# Altium PCB EngineControl.PcbDoc (continued)
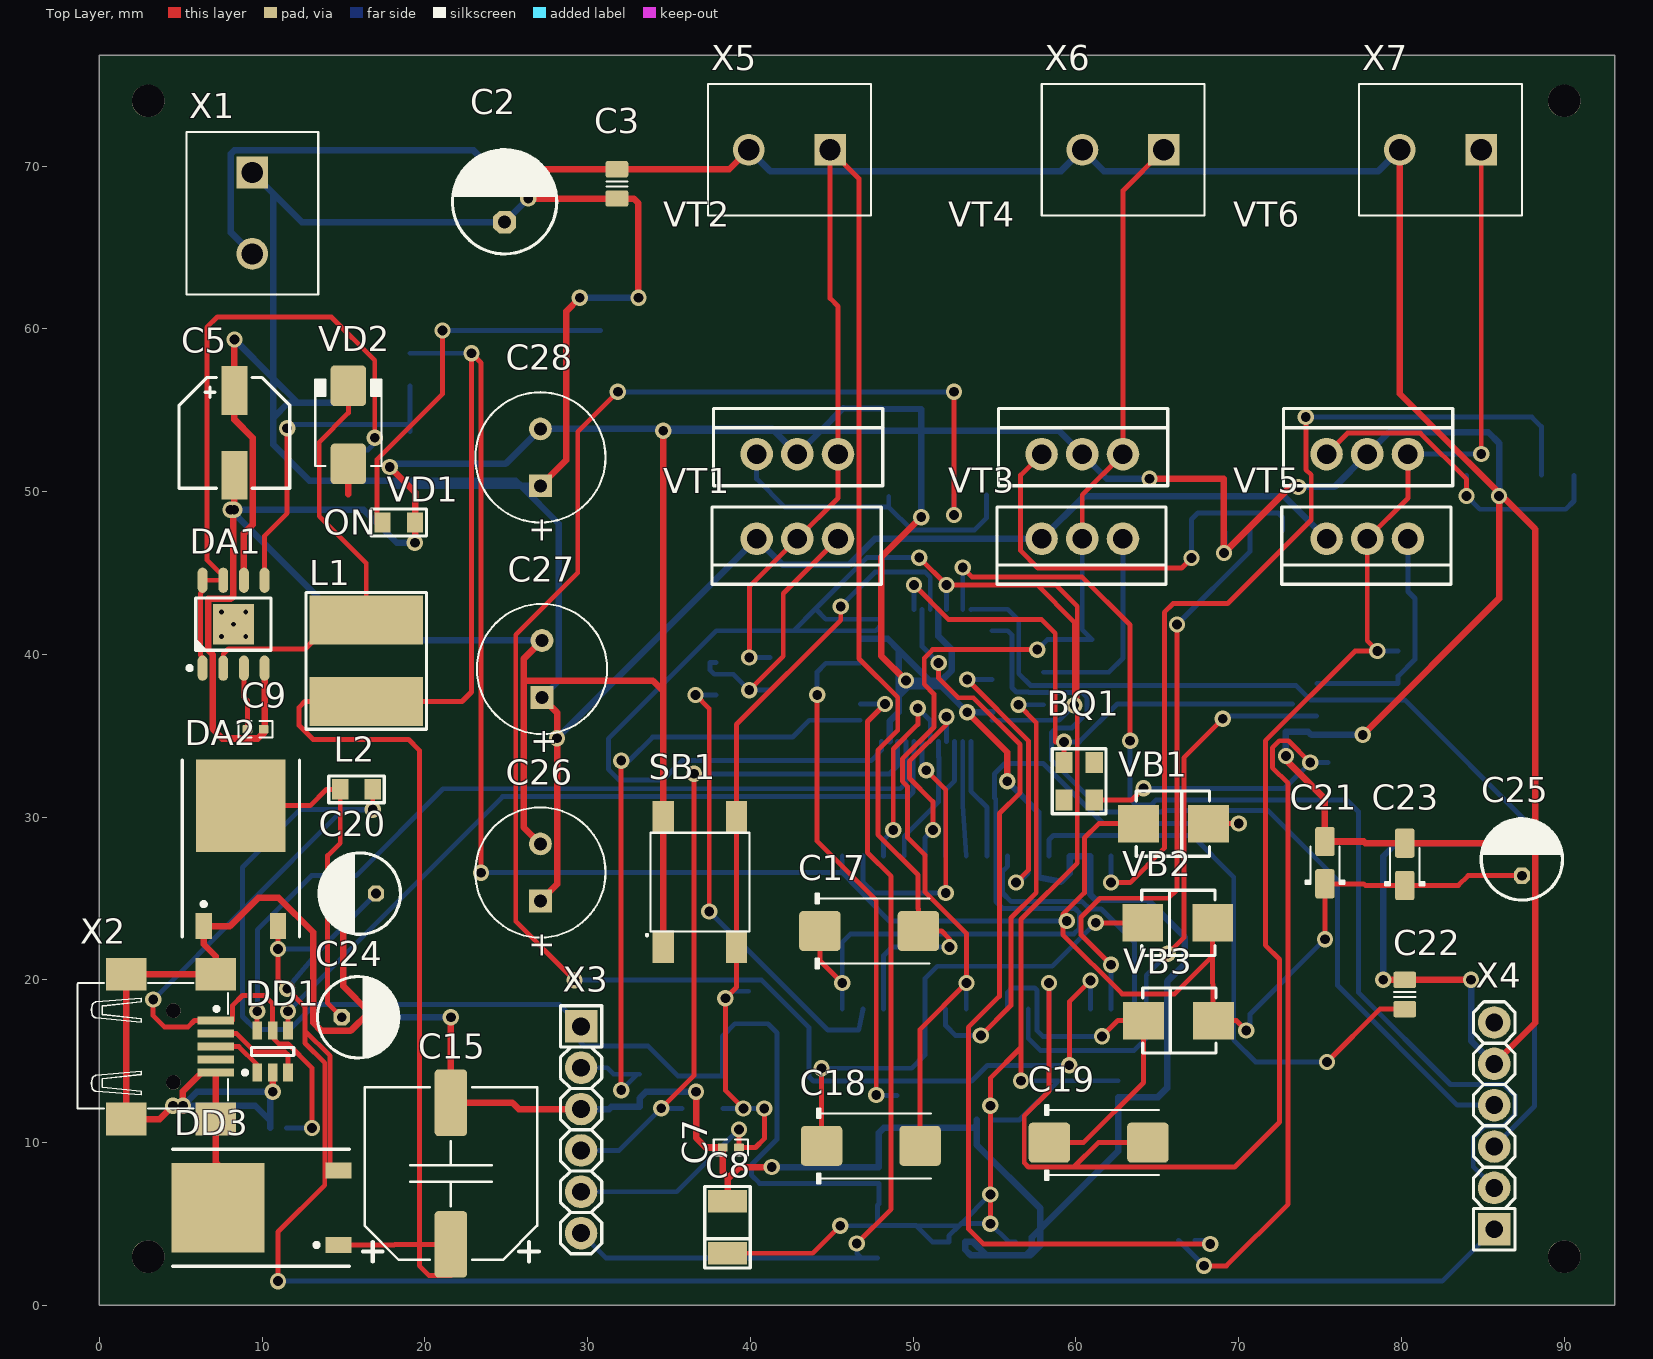
[diagram p0: Top Layer view]
## Part data
BQ1: library part SMD0503, "Кварцевый резонатор Кварцевые резонаторы 8МГц в SMD корпусах 3.2x2.5мм на расширенный интервал температур 8000 \SMD03225C4\12\ 30\ 50/-40~115C\DSX321G\1Г", ValueDescription="Кварцевый резонатор", ValueManufacturer=Китай, HelpURL=https://www.chipdip.ru/product0/8004084827, ValueManufacturerPartNumber=SMD0503, ValueType=SMD0503, ValueValue=8МГц
C1 C10 C11 C13 C14 C16: library part Сapacitor, "Кер.чип.конд. 0402 X5R 100нФ 16В 10%, GRM155R61C104KA88D", ValueDescription=Конденсатор, ValueManufacturerPartNumber="\"\" -", ValueType_TU=Конденсаторы, HelpURL=https://www.chipdip.ru/product/grm155r61c104ka88d
C2: library part Сapacitor_Pol_1, "100мкф 35в 105° RD (6.3X11) конденсатор SAMWHA RD1V107M6L011BB", ValueDescription="Конденсатор танталовый SMD", ValueManufacturer=TECAP, ValueManufacturerPartNumber="D \"D\" 27В-100мк 20%", ValuePackage=D, ValueTolerance=20%, ValueType_TU="Конденсаторы D", ValueVoltage=27В, ComponentLink1Description="New link", HelpURL=https://www.chipdip.ru/product0/9000617586, ValueType=D, ValueValue=100мк
C3: library part Сapacitor, "Кер.ЧИП конд. 0.1 мкФ Y5V 50В+80-20% 0805, GRM219F51H104Z", ValueDescription=Конденсатор, ValueManufacturerPartNumber="\"\" -", ValueType_TU=Конденсаторы, HelpURL=https://www.chipdip.ru/product/grm219f51h104z
C4 C6: library part Сapacitor, "Кер.ЧИП конд. 20пФ NPO 50В 5% 0603, GRM1885C1H200J", ValueDescription=Конденсатор, ValueManufacturerPartNumber="\"\" -", ValueType_TU=Конденсаторы, HelpURL=https://www.chipdip.ru/product/grm1885c1h200j
C5: library part Сapacitor_Pol, "107SML035M, CAP, 100UF, 35V, ALU ELEC, SMD", ValueDescription="Конденсатор полярный", ValueManufacturerPartNumber="\"\" -", ValueType_TU=Конденсаторы, HelpURL=https://www.chipdip.ru/product/107sml035m
C7: library part Сapacitor, "04025A1R0BAT2A, Cap Ceramic 1pF 50V C0G 0.1pF Pad SMD 0402 125C T/R", ValueDescription=Конденсатор, ValueManufacturerPartNumber="\"\" -", ValueType_TU=Конденсаторы, HelpURL=https://www.chipdip.ru/product0/8003206973
C8: library part Сapacitor_Pol, "Конденсатор танталовый SMD 4,7uF 16V 20% case B", ValueDescription="Конденсатор полярный", ValueManufacturerPartNumber="\"\" -", ValueType_TU=Конденсаторы, HelpURL=https://www.chipdip.ru/product0/8003918018
C9: library part Сapacitor, "470пф X7R 50в 10% (0402) Чип керам,конденсатор MA0402XR471K500PRG", ValueDescription=Конденсатор, ValueManufacturerPartNumber="\"\" -", ValueType_TU=Конденсаторы, HelpURL=https://www.chipdip.ru/product0/8001662121
C15: library part Сapacitor_Pol, "EEEFC1E471P, SMD эл-лит 25V 470uF /10*10.2/105°C", ValueDescription="Конденсатор полярный", ValueManufacturerPartNumber="\"\" -", ValueType_TU=Конденсаторы, HelpURL=https://www.chipdip.ru/product0/8002405648
C17 C18 C19: library part TAJC156K016RNJ, "15мкф 16в SMD разм.C 10% тантал. конденсатор TAJC156K016RNJ", HelpURL=https://www.chipdip.ru/product0/8001593097
C20 C24: library part Сapacitor_Pol, "ECAP (К50-35), 10 мкФ, 16 В, 105°C, TK 5X11, TKR100M1CD11, Конденсатор электролитический алюминиевый", ValueDescription="Конденсатор полярный", ValueManufacturerPartNumber="\"\" -", ValueType_TU=Конденсаторы, HelpURL=https://www.chipdip.ru/product0/9000247150
C21: library part Сapacitor_Pol_1, "TECAP, 0.1 мкФ, 35 В, тип A, 10%, Конденсатор танталовый SMD", ValueDescription="Конденсатор танталовый SMD", ValueManufacturer=TECAP, ValueManufacturerPartNumber="D \"D\" 27В-0,1мк 20%", ValuePackage=D, ValueTolerance=20%, ValueType_TU="Конденсаторы D", ValueVoltage=27В, HelpURL=https://www.chipdip.ru/product0/1654, ValueType=D, ValueValue=0,1мк
C22: library part Сapacitor, "Кер.ЧИП конд. 1000пФ X7R 50В,10%, 0805", ValueDescription=Конденсатор, ValueManufacturerPartNumber="\"\" -", ValueType_TU=Конденсаторы, HelpURL=https://www.chipdip.ru/product0/40582
C23: library part Сapacitor_Pol_1, "Сapacitor_Pol", ValueDescription="Конденсатор танталовый SMD", ValueManufacturer=TECAP, ValueManufacturerPartNumber="D \"D\" 27В-1мк 20%", ValuePackage=D, ValueTolerance=20%, ValueType_TU="Конденсаторы D", ValueVoltage=27В, HelpURL=https://www.chipdip.ru/product0/19661, ValueType=D, ValueValue=1мк
C25: library part Сapacitor_Pol, "ECAP (К50-35), 1мкФ, 50В, 105°C, 20%, 5x11мм P:2мм, Конденсатор электролитический алюминиевый JRB1H010M02000500110000B", ValueDescription="Конденсатор полярный", ValueManufacturerPartNumber="\"\" -", ValueType_TU=Конденсаторы, HelpURL=https://www.chipdip.ru/product0/9000565817
C26 C27 C28: library part Сapacitor_Pol_1, "860010574011, Электролитический конденсатор, 220 мкФ, 35 В, Серия WCAP-ATG8, ± 20%, Радиальные Выводы, 8 мм", ValueDescription="Конденсатор танталовый SMD", ValueManufacturer=TECAP, ValueManufacturerPartNumber="D \"D\" 27В-220мк 20%", ValuePackage=D, ValueTolerance=20%, ValueType_TU="Конденсаторы D", ValueVoltage=27В, HelpURL=https://www.chipdip.ru/product/860010574011, ValueType=D, ValueValue=220мк
DA1: "Повышающий/ понижающий преобразователь напряжения [SO8] 1,5А", ValueAnalog1=1356ЕФ1У, ValueAnalog2=MC34063ADG, ValueManufacturer="ON Semiconductor", ValuePackage=SO-8, ValueDescription="Повышающий/ понижающий преобразователь напряжения [SO8] 1,5А", ValueManufacturerPartNumber=MC33063AD, ValueType=MC33063AD
DA2: "Регулятор с малым падением напряжения, 800мА, 3.3В MC33269DT-3.3G, LDO линейный регулятор напряжения, +3.3В, 800мА, [D-PAK]", ValueDescription="DC-DC регулятор", ValueManufacturer="ON Semiconductor", ValuePackage=369A-13, HelpURL=https://www.chipdip.ru/product/mc33269dt-3.3g, ValueManufacturerPartNumber=MC33269DT-3.3G, ValueType=MC33269DT-3.3G
DD1: "Защита интерфейса USB от электростатических разрядов USBLC6-2SC6, Защита интерфейса USB от электростатических разрядов [SOT-23-6]", HelpURL=https://www.chipdip.ru/product/usblc6-2sc6
DD2: library part STM32F103CBT6, "ARM Cortex-M3 32-bit MCU, 128 KB Flash, 20 KB Internal RAM, 37 I/Os, 48-pin LQFP, -40 to 85 degC, Tray", I/Os (High Current)=37, Operating Frequency(F) (Processor speed) (MHz)=72, Supplier Part Number 1=1606327, Supply Voltage(Vcc) min (V)=2, A/D Converter="2x12-bit (10 Channel)", ComponentLink1Description="Manufacturer URL", ComponentLink1URL=http://www.st.com/web/en/home.html, ComponentLink2Description=Datasheet, ComponentLink2URL=http://www.st.com/st-web-ui/static/active/en/resource/technical/document/datasheet/CD00161566.pdf, ComponentLink3Description="Package Specification", ComponentLink3URL=http://www.st.com/st-web-ui/static/active/en/resource/technical/document/datasheet/DM00058181.pdf, Core="ARM Cortex-M3", DatasheetVersion="Rev. 16", FLASH Size (Prog) (kB)=128, HelpURL=https://www.chipdip.ru/product/stm32f103c6t6a, Internal RAM Size (kB)=20, Mounting Technology="Surface Mount", PackageDescription="48-Pin Low Profile Quad Flat Package, 7 x 7 mm Body, 0.5 mm Pitch", PackageReference=LQFP48, PackageVersion="Rev. 6, 06/2013", Packing=Tray, PartNumber=STM32F103CBT6, Supplier 1=Farnell, Supplier 2=Newark, Supplier 3=Newark, Supplier Part Number 2=11N8296, Supplier Part Number 3=57P1214
DD3: "L78M05CDT-TR, Прецизионный регулятор напряжения, 500мА, 5В, [TO-252]", HelpURL=https://www.chipdip.ru/product/l78m05cdt
DD4: "Floating channel designed for bootstrap operation", Package="SOIC-28 Infineon", Digi-Key_Part_Number=IR2136SPBF-ND, Digi-Key_Purchase_URL=https://www.digikey.com/product-detail/en/infineon-technologies/IR2136SPBF/IR2136SPBF-ND/856515?utm_source=snapeda&utm_medium=aggregator&utm_campaign=symbol, HelpURL=https://www.chipdip.ru/product/ir2136spbf, MF=Infineon, MP=IR2136SPBF, SnapEDA_Link=https://www.snapeda.com/parts/IR2136SPBF/Infineon%20Technologies/view-part/559407/?ref=snap
L1: library part B82477G4154M, "SDR0805-221KL, 220 мкГн, Индуктивность SMD", ValueCurrent="1,42 А", ValueDescription="Катушка индуктивности SMD", ValueManufacturer=Epcos, ValuePackage=12.8х12.8, ValueValue=150мкГн, HelpURL=https://www.chipdip.ru/product/sdr0805-221kl, ValueManufacturerPartNumber=B82477G4154M, ValueType=B82477G4154M
L2: "Дроссель подавления ЭМП BLM21AG102SN1, 0805, Дроссель подавления ЭМП", ValueCurrent="0,2 А", ValueDescription="Дроссель подавления ЭМП", ValueManufacturer="Murata Manufacturing", ValuePackage=0805, ValueValue=20мГн, HelpURL=https://www.chipdip.ru/product/blm21ag102sn1, ValueManufacturerPartNumber=BLM21AG102SN1, ValueType=BLM21AG102SN1
R1: library part Resistor, "Резистор RC0805JR-0710KL 0.125Вт 0805 10 кОм, 5%, Чип резистор (SMD)", ValueDescription=Резистор, ValueManufacturerPartNumber="\"\" -", ValueType_TU=Резисторы, HelpURL=https://www.chipdip.ru/product0/528580584
R2 R3 R4 R5: library part Resistor, "0.125Вт 0805 4.7 кОм, 1%, Чип резистор (SMD) RC0805FR-074K7L", ValueDescription=Резистор, ValueManufacturerPartNumber="\"\" -", ValueType_TU=Резисторы, HelpURL=https://www.chipdip.ru/product0/9000079502
R6: library part Resistor, "0,33ом 5% RS-06 1/4W (1206) Чип резистор RS-06KR33JT", ValueDescription=Резистор, ValueManufacturerPartNumber="\"\" -", ValueType_TU=Резисторы, HelpURL=https://www.chipdip.ru/product0/8001592128
R7 R11: library part Resistor, "Резистор постоянный SMD 0805 1,2K 5% / 0805S8J0122T5E", ValueDescription=Резистор, ValueManufacturerPartNumber="\"\" -300", ValueType_TU=Резисторы, ValueValue=300, HelpURL=https://www.chipdip.ru/product0/8004210618
  R11: ComponentLink1Description="New link"
R8: library part Resistor, "0.062Вт 0402 300 Ом, 1%, Чип резистор (SMD) RC0402FR-07300RL", ValueDescription=Резистор, ValueManufacturerPartNumber="\"\" -300", ValueType_TU=Резисторы, HelpURL=https://www.chipdip.ru/product0/9000189775, ValueValue=300
R9: library part Resistor, "0.125Вт 0805 10 кОм, 5%, Чип резистор (SMD)", ValueDescription=Резистор, ValueManufacturerPartNumber="\"\" -10k", ValueType_TU=Резисторы, HelpURL=https://www.chipdip.ru/product0/528580584, ValueValue=10k
R10: library part Resistor, "RC0402JR-07100RL", ValueDescription=Резистор, ValueManufacturerPartNumber="\"\" -", ValueType_TU=Резисторы, HelpURL=https://www.chipdip.ru/product0/9000189639
R12: library part Resistor, "0.062Вт 0402 2 МОм, 1%, Чип резистор (SMD)", ValueDescription=Резистор, ValueManufacturerPartNumber="\"\" -", ValueType_TU=Резисторы, HelpURL=https://www.chipdip.ru/product0/9000189945
R13: library part Resistor, "71,5 кОм 0805 1% CR05FL7-71K5 чип-резистор Viking tech", ValueDescription=Резистор, ValueManufacturerPartNumber="\"\" -", ValueType_TU=Резисторы, HelpURL=https://www.chipdip.ru/product0/8002867086
R14 R15 R16 R17 R18 R19: library part Resistor, "RC0805FR-07140RL, чип 0805 140 1%", ValueDescription=Резистор, ValueManufacturerPartNumber="\"\" -140", ValueType_TU=Резисторы, HelpURL=https://www.chipdip.ru/product0/8406612868, ValueValue=140
R20 R21 R22 R23 R24 R25: library part Resistor, "RC0805FR-0710KL", ValueDescription=Резистор, ValueManufacturerPartNumber="\"\" -", ValueType_TU=Резисторы, HelpURL=https://www.chipdip.ru/product0/9000079514
SB1: "Тактовый переключатель SMD h=7мм (SDTM-630-N) (TS-06M-CSM)", ValueDescription="Кнопка тактовая", ValueManufacturer=Тайвань, HelpURL=https://www.chipdip.ru/product/swt-34, ValueManufacturerPartNumber=SWT-34, ValuePackage=SWT-34, ValueType=SWT-34
VB1 VB2 VB3: "Диод Шоттки 90В 1А MBRS190T3G, Диод Шоттки 90В 1А [SMB / DO-214AA]", HelpURL=https://www.chipdip.ru/product/mbrs190t3g-ons
VD1: library part LED_single, "SML-LXT0805GW-TR, Светодиод, QuasarBrite, Зеленый, SMD (Поверхностный Монтаж), 0805, 20 мА, 2.2 В, 565 нм", Color=GREEN, ColorParameter=Green, Temperature=-55...+150°C, HelpURL=https://www.chipdip.ru/product/sml-lxt0805gw-tr-led-green-11mcd-565nm, TypeDiode=LED, ValueManufacturerPartNumber="LED, Green, *, *, *, -55...+150°C"
VD2: library part SS24, "Диод Шоттки 1N5819HW-7-F", ValueCurrent=2А, ValueDescription="Диод Шоттки 2А 40В", ValueManufacturer="Fairchild Semiconductor", ValueMaxReverseVoltage=40В, ValuePackage=DO-214AA, HelpURL=https://www.chipdip.ru/product0/8004285286, ValueManufacturerPartNumber=SS24, ValueType=SS24
VT1 VT2 VT3 VT4 VT5 VT6: "IRFZ14PBF, Транзистор, N-канал 60В 10А [TO-220AB]", HelpURL=https://www.chipdip.ru/product/irfz14
X1 X5 X6 X7: "Клеммник винтовой, 2-контактный, 5мм, прямой KLS2-305V-5.00-02P-2S (DG305-5.0-02P-12), Клеммник винтовой, 2-контактный, 5мм, прямой", ValueDescription="Клеммник винтовой, 2-контактный, 5мм, прямой", ValueManufacturer="Ningbo Xinya M&E", HelpURL=https://www.chipdip.ru/product/kls2-305v-5.00-02p-2s-dg305-5.0-02p-12, ValueManufacturerPartNumber=301-021-12, ValueType=301-021-12
  X1: A1TXT=+27В, A2TXT=GND
  X5 X6 X7: A1TXT=PWM_A, A2TXT=GND_A
X2: library part USB-Mini-A, "Розетка 5-контактная SMD на плату 1734035-2, Разъем USB, Mini USB Типа B, USB 2.0, Гнездо, 5 вывод(-ов), Поверхностный Монтаж, Прямой Угол", ValueDescription="Розетка 5-контактная SMD на плату", ValueManufacturer="Ningbo Xinya M&E", A1TXT=VCC, A2TXT=DM, A3TXT=DP, A4TXT=ID, A5TXT=GND, HelpURL=https://www.chipdip.ru/product0/9000362778, ValueManufacturerPartNumber=USB-Mini-B, ValueType=USB-Mini-B
X3 X4: "PLS-6 (DS1021-1x6), Вилка штыревая 2.54мм 1x6 прямая тип1", ValueDescription="Вилка штыревая 2.54мм 1x6", ValueManufacturer="Ningbo Zhenqin Electronic (Connfly Electronic)", HelpURL=https://www.chipdip.ru/product/pls-6, ValueManufacturerPartNumber=PLS-1x6, ValueType=PLS-1x6
  X3: A1TXT=V_targ, A2TXT=SWCLK, A3TXT=GND, A4TXT=SWDIO, A5TXT=NRST, A6TXT=SWO
  X4: A1TXT=POV, A2TXT=A1, A3TXT=A2, A4TXT=A3, A5TXT=GND

## Free pads (board coordinates)
  round 2 / inner round 1 / far side round 1 hole 2: 2(3,3) 2(3,74) 2(90,3) 2(90,74)

## Via types
v1: diameter 1, hole 0.6, Top Layer to Bottom Layer, 116 vias

## Nets (pads, with @x,y where several pads share a name; then routed paths per layer and width w, separated by ;. In a path a pad name is that pad's centre, name@x,y a point inside that pad or via, vN(x,y) a via of type N, cw(c..) or ccw(c..) an arc to the next point about the centre after c; other vN are vias at no path point)
+3,3B: C1.1 C8.1 C10.1 C11.1 C13.1 C14.1 C16.1 DD1.5 DD2.1 DD2.9 DD2.24 DD2.36 DD2.48 L2.2 R3.1 R4.1 R5.1 R10.1 X2.1 X3.1 | length 281.1
  Top Layer w0.3: v1(3.31,18.788) 3.31,17.797 3.996,17.111 5.461,17.111 5.85,17.5 X2.1 8.187,17.5 8.187,18.432 8.797,19.042 10.142,19.042 10.65,18.534 DD1.5 10.65,16.452 11.032,16.07 11.591,16.07 13.064,14.597 v1(13.064,10.9) ; v1(16.8,30.446) v1(16.8,30.472) L2.2 ; C8.1 43.831,3.2 v1(45.525,4.894) ; v1(50.374,45.94) v1(52.05,44.264) 57.615,44.264 ; v1(54.745,5.021) v1(54.745,6.819) v1(54.745,12.26) 54.745,13.962 56.625,15.841 ; v1(56.625,13.8) 56.625,15.841 ; v1(59.901,36.872) 59.901,41.978 57.615,44.264 ; 56.625,15.841 56.625,23.715 60.079,27.17 60.079,36.695 60.079,42.943 58.758,44.264 57.615,44.264
  Bottom Layer w0.3: v1(3.31,18.788) 8.797,24.274 ; C1.1 v1(13.064,10.9) ; v1(16.8,30.446) 14.969,30.446 8.797,24.274 ; v1(16.8,30.472) 12.353,30.472 8.797,26.916 8.797,24.274 ; R4.1 R4.1@38.286,14.1 ; v1(45.525,4.894) 50.192,4.894 ; DD2.36 48.05,34.104 47.415,33.469 35.797,33.469 34.603,32.275 31.936,32.275 31.276,32.935 31.276,34.815 37.911,41.45 42.665,41.45 ; DD2.1 DD2.1@48.05,42.156 ; v1(50.374,45.94) 47.155,45.94 44.003,42.788 ; DD2.9 v1(52.05,44.264) ; v1(54.745,6.819) 52.947,5.021 ; v1(54.745,12.26) 54.745,11.4 C14.1 56.536,11.4 58.936,13.8 ; DD2.24 58.979,35.95 v1(59.901,36.872) v1@60.079,36.695 ; C16.1 55.866,3.9 v1(54.745,5.021) 52.947,5.021 ; v1(56.625,13.8) 58.936,13.8 ; C11.1 58.936,13.8 ; 8.797,24.274 8.797,17.746 9.584,16.959 11.718,16.959 13.242,18.483 28.257,18.483 X3.1 29.6,16.12 29.777,15.943 33.7,15.943 35.543,14.1 R3.1 R4.1@38.286,14.1 ; R4.1@38.286,14.1 38.286,16.538 39.048,17.3 R10.1 41.08,17.3 41.639,16.741 41.639,10.202 40.064,8.628 40.064,8.008 40.572,7.5 C13.1 47.9,6.238 47.8,6.138 R5.1 50.186,4.9 50.192,4.894 ; 42.665,41.45 DD2.48 47.7,41.45 48.05,41.8 DD2.1@48.05,42.156 ; 42.665,41.45 44.003,42.788 ; 44.003,42.788 44.636,42.156 DD2.1@48.05,42.156 ; 50.192,4.894 51.186,3.9 C10.1 52.2,4.274 52.82,4.894 ; 50.192,4.894 52.82,4.894 ; 52.82,4.894 52.947,5.021
+5B: C20.1 DA2.3 DD3.3 X4.1 | length 120.6
  Top Layer w0.3: v1(10.981,1.49) 10.981,4.513 13.851,7.383 13.851,14.901 12.632,16.121 12.632,16.883 ; v1(10.981,21.89) v1@10.985,21.894 ; DA2.3 v1@10.985,21.894 ; DD3.3 14.181,8.285 14.181,15.333 12.632,16.883 ; v1@10.985,21.894 10.985,20.005 v1(11.542,19.448) 12.632,18.358 12.632,16.883
  Bottom Layer w0.3: v1(10.981,1.49) 82.51,1.49 X4.1 ; v1(10.981,21.89) 13.59,21.89 ; v1(11.542,19.448) 13.59,21.89 ; C20.1 13.59,21.89
+27B: C2.1 C3.1 C5.1 C26.1 C27.1 C28.1 DA1.6 R1.1 R6.2 VT1.3 VT3.3 VT5.3 X1.1 | length 198.2
  Top Layer w0.4: v1(8.3,59.336) C5.1 8.3,54.424 9.432,53.292 9.432,47.972 8.885,47.426 DA1.6 ; v1(26.35,68) C3.1 32.828,68 33.12,67.708 v1(33.12,61.9) ; C26.1 28.126,25.876 v1(28.126,34.842) 28.126,36.424 C27.1 ; C28.1 28.685,51.935 28.685,61.062 v1(29.523,61.9)
  Bottom Layer w0.4: v1(8.3,59.336) 10.702,56.934 ; X1.1 10.702,68.298 ; R6.2 12.186,55.45 ; v1(26.35,68) C2.1 12.45,66.55 10.702,68.298 ; C28.1 25.901,50.35 ; C27.1 28.228,38.378 28.228,48.023 25.901,50.35 ; v1(28.126,34.842) VT1.3 41.975,45.508 46.058,45.508 47.65,47.1 VT3.3 60.491,49.699 72.8,49.699 VT5.3 ; v1(29.523,61.9) R1.1 v1(33.12,61.9) ; 10.702,54.536 11.616,55.45 12.186,55.45 ; 10.702,54.536 10.702,52.874 12.911,50.665 17.986,50.665 ; 10.702,54.536 10.702,56.934 ; 10.702,56.934 10.702,68.298 ; 10.702,56.934 12.186,55.45 ; 17.986,50.665 17.986,50.35 25.901,50.35 ; 17.986,50.665 25.586,50.665 25.901,50.35
BOOT0: DD2.44 R9.2 | length 31.6
  Top Layer w0.3: v1(44.103,37.507) 44.103,28.516 47.735,24.884 v1(47.735,12.92)
  Bottom Layer w0.3: v1(44.103,37.507) 44.103,38.917 44.636,39.45 DD2.44 ; v1(47.735,12.92) 47.755,12.9 R9.2
D_VCC: C15.1 C21.1 C23.1 C25.1 DD3.1 DD4.1 L1.2 R11.2 R12.1 VB1.1 VB2.1 VB3.1 | length 211.6
  Top Layer w0.3: DD3.1 18.118,3.715 18.153,3.75 19.664,3.75 ; v1(23.452,26.585) 23.452,57.916 v1(22.868,58.5) 22.868,37.684 22.284,37.1 L1.2 12.632,37.1 12.28,36.748 12.28,35.624 13.14,34.764 19.007,34.764 19.664,34.107 19.664,3.75 ; v1(59.444,23.614) v1@59.2,23.614 ; VB1.1 61.4,29.6 60.518,28.718 60.518,25.347 59.2,24.029 v1@59.2,23.614 ; VB2.1 68.4,21.48 ; v1(70.471,16.888) 69.858,17.5 VB3.1 68.4,20.514 68.4,21.48 ; v1(75.3,22.5) C21.1 77.681,25.9 77.781,25.8 C23.1 83.498,25.8 84.098,26.4 C25.1 ; 19.664,3.75 C15.1 21.6,1.846 20.252,1.846 19.664,2.433 19.664,3.75 ; v1@59.2,23.614 59.2,22.782 62.841,19.141 66.061,19.141 68.4,21.48
  Bottom Layer w0.3: R11.2 v1(22.868,58.5) ; v1(23.452,26.585) 45.645,26.585 ; DD4.1 45.645,26.585 ; v1(59.444,23.614) 48.548,23.614 45.645,26.585 ; v1(70.471,16.888) 70.7,17.117 R12.1 v1(75.3,22.5)
EN: DD2.19 DD4.10 | length 17.9
  Top Layer w0.3: v1(53.323,38.45) 57.082,34.691 57.082,26.738 v1(56.32,25.976)
  Bottom Layer w0.3: v1(53.323,38.45) DD2.19 ; v1(56.32,25.976) 56.491,25.976 57.075,26.56 DD4.10
FAULT: DD2.25 DD4.8 | length 7.5
  Bottom Layer w0.3: DD2.25 53.55,31.591 54.535,30.606 DD4.8
GND: C1.2 C2.2 C3.2 C4.2 C5.2 C6.2 C7.2 C8.2 C9.2 C10.2 C11.2 C13.2 C14.2 C15.2 C16.2 C20.2 C21.2 C22.2 C23.2 C24.2 C25.2 C26.2 C27.2 C28.2 DA1.4 DA2.1 DD1.2 DD2.8 DD2.23 DD2.35 DD2.47 DD3.2 DD4.12 DD4.13 R2.1 R7.1 R9.1 R13.2 R21.2 R23.2 R25.2 SB1.1 SB1.2 VD1.2 VD2.1 VT2.2 VT4.2 VT6.2 X1.2 X2.5 X2.6 X3.3 X4.5 X5.2 X6.2 X7.2 | length 673.5
  Top Layer w0.4: v1(4.529,12.26) 3.719,11.45 1.65,11.45 1.65,20.35 7.15,20.35 7.15,21.455 6.415,22.19 DA2.1 8.026,23.3 9.762,25.036 11.032,25.036 13.14,22.928 13.14,17.365 13.646,16.86 15.428,16.86 C24.2@16.584,18.016 ; v1(5.139,12.26) 5.139,13.157 6.282,14.3 X2.5 7.15,11.45 7.15,8.778 7.3,8.628 DD3.2 ; v1(8.289,48.887) 8.3,48.898 v1@8.3,49.127 ; C5.2 v1@8.3,49.127 ; DA1.4 C9.2@10.155,35.4 ; v1(10.65,13.123) DD1.2 ; C20.2 15,19.6 C24.2@16.584,18.016 ; 15.298,49.828 15.3,49.83 VD2.1 ; C24.2 C24.2@16.584,18.016 ; v1(17.839,51.514) 19.4,49.953 VD1.2 19.4,46.866 v1(19.388,46.855) ; v1(21.6,17.7) C15.2 25.383,12.45 25.773,12.06 X3.3 ; C2.2 25.65,69.8 C3.2 38.7,69.8 X5.2 ; C26.2 26.069,29.381 26.069,38.371 ; C27.2 26.069,39.719 26.069,38.371 ; SB1.1 SB1.2 34.65,37.736 ; v1(34.65,53.738) 34.65,37.736 ; v1(36.66,13.123) 36.66,10.304 37.264,9.7 C7.2 38.3,8.191 38.6,7.891 38.6,7.764 ; C8.2 38.6,7.764 ; v1(41.309,8.5) 39.336,8.5 38.6,7.764 ; v1(49.559,38.389) 48.032,39.916 48.032,45.962 v1(50.5,48.429) ; v1(53.323,36.441) 55.787,33.977 v1(55.787,32.199) ; v1(64.524,50.792) 69.096,50.792 v1(69.096,46.22) 73.16,50.284 v1(73.668,50.284) ; v1(72.906,33.748) 72.906,33.5 75.3,31.107 C21.2 77.681,28.5 77.781,28.4 C23.2 83.777,28.4 C25.2 ; v1(77.624,35.05) 86,43.426 v1(86,49.725) ; v1(78.875,20.007) 78.882,20 C22.2 v1(84.275,20) ; X7.2 79.9,56.015 88.222,47.693 88.222,17.362 X4.5 ; v1@8.3,49.127 v1(8.06,48.887) 8.238,48.709 8.238,43.578 8.085,43.426 6.68,43.426 6.68,40.276 6.968,39.988 6.968,35.412 7.552,34.828 9.736,34.828 C9.2@10.071,35.163 ; C9.2@10.071,35.163 10.1,35.134 C9.2@10.1,35.192 ; C9.2@10.071,35.163 C9.2@10.1,35.192 ; C9.2@10.1,35.192 10.155,35.247 C9.2@10.155,35.4 ; C9.2@10.1,35.192 C9.2 C9.2@10.155,35.4 ; 26.069,38.371 34.015,38.371 34.65,37.736
  Bottom Layer w0.4: v1(4.529,12.26) v1(5.139,12.26) ; v1(8.06,48.887) 16.097,40.85 C27.2 ; v1(8.289,48.887) 16.239,48.887 18.271,46.855 v1(19.388,46.855) ; X1.2 8.085,65.915 8.085,70.756 8.289,70.959 22.991,70.959 C2.2 ; C1.2 10.5,11.344 ; C24.2 v1(21.6,17.7) ; v1(17.839,51.514) 18.025,51.7 R7.1 24.95,51.7 C28.2 41.334,53.85 41.446,53.738 ; X3.3 31.326,12.06 31.466,12.2 R2.1 33.2,12.736 33.587,13.123 v1(36.66,13.123) ; v1(34.65,53.738) 41.446,53.738 ; X5.2 41.211,69.689 59.089,69.689 X6.2 61.711,69.689 78.589,69.689 X7.2 ; v1(41.309,8.5) C13.2 47.9,10.608 48.192,10.9 R9.1 53.734,10.9 53.9,11.066 ; DD2.47 48.432,40.95 49.106,40.276 ; DD2.35 48.55,35.882 49.106,36.438 49.106,37.431 ; v1(49.559,38.389) 50.993,38.389 ; v1(50.5,48.429) R21.2 50.5,53.738 ; DD2.8 51.55,41.119 52.386,40.283 52.386,39.027 51.748,38.389 50.993,38.389 ; v1(53.323,36.441) v1@53.327,36.445 ; C14.2 53.9,11.066 ; v1(55.787,32.199) 57.692,30.294 57.692,26.306 59.082,26.027 59.615,26.56 DD4.12 DD4.13 60.885,25.246 61.225,24.906 64.414,24.906 66.69,22.63 66.69,20.984 65.6,19.894 R13.2 65.6,13.352 65.048,12.8 C11.2 62.6,9.483 57.819,4.701 ; v1(64.524,50.792) 61.9,50.792 VT4.2 58.954,53.738 50.5,53.738 ; v1(69.096,46.22) 69.1,46.223 R23.2 ; v1(72.906,33.748) 72.906,35.25 C4.2 74.278,35.25 74.478,35.05 C6.2 v1(77.624,35.05) ; v1(73.668,50.284) 75.884,50.284 VT6.2 79.236,53.636 85.34,53.636 86,52.976 R25.2 v1(86,49.725) ; v1(78.875,20.007) 78.875,27.587 79.688,28.4 C25.2 ; v1(84.275,20) 84.275,16.265 X4.5 ; v1(5.139,12.26) 6.003,13.123 v1(10.65,13.123) 10.5,12.973 10.5,11.344 ; v1(5.139,12.26) 9.584,12.26 10.5,11.344 ; 41.446,53.738 44.322,53.738 ; 41.446,53.738 VT2.2 44.322,53.738 ; 44.322,53.738 50.5,53.738 ; 44.322,53.738 45.694,55.11 50.5,55.062 50.5,53.738 ; 49.106,37.431 49.106,40.276 ; 49.106,37.431 49.716,38.041 51.732,38.041 v1@53.327,36.445 ; 49.106,40.276 50.993,38.389 ; v1@53.327,36.445 DD2.23 53.332,36.45 v1@53.327,36.445 ; 53.9,11.066 53.9,9.872 57.819,5.954 57.819,4.701 ; 54.488,3.09 53.678,3.9 C10.2 53.2,3.416 53.526,3.09 54.488,3.09 ; 54.488,3.09 56.944,3.09 ; 56.944,3.09 57.3,3.446 C16.2 57.3,4.183 57.819,4.701 ; 56.944,3.09 57.209,3.09 57.819,3.7 57.819,4.701
HO1: DD4.27 R14.1 | length 28.4
  Top Layer w0.3: v1(36.635,37.5) 37.473,36.662 v1(37.473,24.202)
  Bottom Layer w0.3: v1(36.635,37.5) R14.1 ; v1(37.473,24.202) 44.767,16.908 46.661,16.908 DD4.27
HO2: DD4.23 R16.1 | length 27.1
  Top Layer w0.3: v1(54.161,16.578) 56.015,18.432 56.015,23.81 57.565,25.359 57.565,35.808 v1(56.472,36.9)
  Bottom Layer w0.3: DD4.23 51.995,17.194 52.612,16.578 v1(54.161,16.578) ; v1(56.472,36.9) R16.1
HO3: DD4.19 R18.1 | length 37.1
  Top Layer w0.3: v1(65.642,21.607) 66.63,22.595 66.63,33.644 v1(69.02,36.034)
  Bottom Layer w0.3: DD4.19 57.075,16.4 57.812,15.663 63.584,15.663 64.321,16.4 64.321,20.286 v1(65.642,21.607) ; v1(69.02,36.034) 69.186,36.2 R18.1
LO1: DD4.16 R15.1 | length 112.3
  Top Layer w0.3: v1(29.193,19.981) 25.586,23.588 25.586,41.19 29.396,45 29.396,53.662 v1(31.86,56.126) ; v1(52.51,48.556) v1(52.51,56.126) ; v1(59.597,14.749) 59.597,18.661 v1(60.892,19.956)
  Bottom Layer w0.3: v1(29.193,19.981) 40.699,19.981 43.595,17.086 43.595,14.063 43.874,13.784 53.602,13.784 54.567,14.749 v1(59.597,14.749) ; v1(31.86,56.126) v1(52.51,56.126) ; R15.1 52.5,48.566 v1(52.51,48.556) ; DD4.16 60.885,19.949 v1(60.892,19.956)
LO2: DD4.15 R17.1 | length 36.9
  Top Layer w0.3: v1(62.155,20.922) 60.316,22.761 60.316,23.844 61.482,25.011 65.677,25.011 66.21,25.544 v1(66.21,41.835)
  Bottom Layer w0.3: DD4.15 v1(62.155,20.922) ; v1(66.21,41.835) 70.7,46.325 R17.1
LO3: DD4.14 R19.1 | length 55.8
  Top Layer w0.3: v1(62.155,25.976) 63.33,25.976 65.439,28.084 65.439,42.587 65.972,43.121 69.325,43.121 74.456,48.252 74.456,51.02 74.125,51.35 v1(74.125,54.576)
  Bottom Layer w0.3: v1(62.155,25.976) DD4.14 ; v1(74.125,54.576) 88.016,54.576 88.6,53.992 R19.1
NetBQ1_3: BQ1.3 C6.1 R8.1 | length 55.8
  Top Layer w0.3: BQ1.3 63.432,31.05 v1(64.149,31.767) ; v1(67.87,2.43) 69.249,2.43 73.036,6.218 73.036,32.069 72.068,33.037 72.068,34.256 72.5,34.688 73.059,34.688 v1(74.397,33.35)
  Bottom Layer w0.3: v1(64.149,31.767) 72.814,31.767 v1(74.397,33.35) C6.1 ; R8.1 v1(67.87,2.43)
NetC9_1: C9.1 DA1.3 | length 3.8
  Top Layer w0.3: DA1.3 8.885,37.367 9.1,37.152 C9.1
NetC22_1: C22.1 DD4.11 R12.2 | length 36
  Top Layer w0.3: v1(75.424,14.952) 78.672,18.2 C22.1
  Bottom Layer w0.3: DD4.11 58.345,28.61 58.606,28.871 67.14,28.871 69.7,26.312 R12.2 69.7,16.296 71.044,14.952 v1(75.424,14.952)
NetC24_1: C24.1 DA2.4 L2.1 | length 21.2
  Top Layer w0.3: DA2.4 12.958,30.7 13.958,31.7 L2.1 14.8,28.4 14.03,27.63 14.03,18.57 C24.1
NetDA1_1: DA1.1 DA1.7 DA1.8 R6.1 | length 41.3
  Top Layer w0.3: DA1.1 6.345,39.81 6.21,39.945 6.21,43.755 6.345,43.89 DA1.8 DA1.7 7.615,44.797 6.612,45.8 6.612,60.088 7.247,60.723 14.258,60.723 16.925,58.056 v1(16.925,53.306)
  Bottom Layer w0.3: R6.1 16.499,52.55 16.925,52.976 v1(16.925,53.306)
NetDA1_2: DA1.2 L1.1 VD2.2 | length 26.9
  Top Layer w0.3: DA1.2 7.615,40.022 7.92,40.327 12.637,40.327 14.41,42.1 L1.1 16.4,45.601 13.51,48.491 13.51,53.04 15.3,54.83 VD2.2
NetDA1_5: DA1.5 R7.2 R11.1 | length 20.4
  Top Layer w0.3: DA1.5 10.155,47.286 11.54,48.671 v1(11.54,53.89)
  Bottom Layer w0.3: v1(11.54,53.89) 11.768,54.119 19.1,54.119 ; R7.2 19.1,54.119 ; R11.1 19.1,54.119
NetDD1_1: DD1.1 X2.3 | length 3.5
  Top Layer w0.3: X2.3 8.574,15.9 9.7,14.774 DD1.1
NetDD1_3: DD1.3 X2.2 | length 6.1
  Top Layer w0.3: X2.2 8.445,16.7 9.56,15.584 11.4,15.584 11.6,15.384 DD1.3
NetDD4_9: DD4.9 R13.1 | length 16.2
  Bottom Layer w0.3: DD4.9 55.805,26.986 55.492,26.673 55.492,25.339 56.027,24.804 60.388,24.804 60.84,24.351 61.553,24.351 63.6,22.304 R13.1
NetR1_2: R1.2 VD1.1 | length 23.5
  Top Layer w0.3: VD1.1 17.052,48.1 17.052,51.96 21.09,55.999 v1(21.09,59.9)
  Bottom Layer w0.3: v1(21.09,59.9) R1.2
NetR14_2: R14.2 R20.1 VT1.1 | length 16.6
  Top Layer w0.3: v1(39.93,37.8) 42.02,39.89 42.02,43.736 VT1.1
  Bottom Layer w0.3: R14.2 37.524,39.5 37.524,39.031 37.778,38.777 38.953,38.777 v1(39.93,37.8) R20.1
NetR15_2: R15.2 R21.1 VT2.1 | length 19.3
  Bottom Layer w0.3: VT2.1 40.384,50.777 42.115,49.045 48.5,49.045 ; R21.1 48.5,49.045 ; R15.2 54.5,48.362 53.78,47.642 49.903,47.642 48.5,49.045
NetR16_2: R16.2 R22.1 VT3.1 | length 12.6
  Bottom Layer w0.3: R16.2 R22.1 62.024,38.9 62.892,39.768 VT3.1
NetR17_2: R17.2 R23.1 VT4.1 | length 26.7
  Top Layer w0.3: VT4.1 56.599,51.007 56.599,46.372 57.666,45.305 66.49,45.305 v1(67.1,45.915)
  Bottom Layer w0.3: v1(67.1,45.915) R23.1 67.1,48.287 67.496,48.683 72.421,48.683 72.7,48.404 R17.2
NetR18_2: R18.2 R24.1 VT5.1 | length 14.5
  Bottom Layer w0.3: R18.2 R24.1 79.8,38.661 80.831,39.692 80.831,43.426 80.4,43.857 VT5.1
NetR19_2: R19.2 R25.1 VT6.1 | length 21.3
  Top Layer w0.3: VT6.1 76.686,53.586 81.161,53.586 84,50.747 v1(84,49.725)
  Bottom Layer w0.3: R25.1 v1(84,49.725) 84.813,48.912 90.092,48.912 90.6,49.42 R19.2
NRST: C7.1 DD2.7 R4.2 R10.2 SB1.3 SB1.4 X3.5 | length 62.9
  Top Layer w0.3: v1(39.3,10.812) C7.1 40.314,9.7 40.859,10.244 v1(40.859,12.1) ; v1(39.57,12.1) 38.464,13.206 v1(38.464,18.864) 39.15,19.55 SB1.3 SB1.4 39.15,35.704 45.55,42.104 v1(45.55,42.943)
  Bottom Layer w0.3: X3.5 35.468,6.98 v1(39.3,10.812) ; R4.2 v1(39.57,12.1) v1(40.859,12.1) ; v1(38.464,18.864) 38.9,19.3 R10.2 ; v1(45.55,42.943) 47.659,45.051 50.732,45.051 51.05,44.733 DD2.7
OSC_IN: BQ1.1 C4.1 DD2.5 | length 34.9
  Top Layer w0.3: v1(50.05,44.264) 52.184,42.13 57.895,42.13 58.733,41.292 58.733,34.612 v1@59.275,34.612 ; BQ1.1 v1@59.275,34.612 ; v1(59.275,34.62) v1@59.275,34.612
  Bottom Layer w0.3: DD2.5 v1(50.05,44.264) ; v1(59.275,34.62) 60.213,34.62 62.543,36.95 C4.1
OSC_OUT: DD2.6 R8.2 | length 58.7
  Top Layer w0.3: v1(51.566,39.463) 51.566,38.528 52.764,37.33 53.704,37.33 56.574,34.459 56.574,31.499 55.296,30.221 55.296,18.983 53.391,17.078 53.391,4.699 54.313,3.776 v1(68.258,3.776)
  Bottom Layer w0.3: DD2.6 50.55,40.479 v1(51.566,39.463) ; R8.2 68.034,4 v1(68.258,3.776)
PWM_H1: DD2.31 DD4.2 | length 16.9
  Top Layer w0.3: v1(50.808,32.88) 52.003,31.686 v1(52.003,25.341)
  Bottom Layer w0.3: DD4.2 46.915,26.034 47.608,25.341 v1(52.003,25.341) ; DD2.31 50.55,33.139 v1(50.808,32.88)
PWM_H2: DD2.30 DD4.3 | length 12.3
  Top Layer w0.3: v1(48.776,29.202) 48.776,34.18 50.288,35.692 v1(50.288,36.693)
  Bottom Layer w0.3: DD4.3 48.185,28.61 v1(48.776,29.202) ; v1(50.288,36.693) 51.05,35.931 DD2.30
PWM_H3: DD2.29 DD4.4 | length 7.9
  Bottom Layer w0.3: DD4.4 49.455,28.821 51.55,30.916 51.55,32.11 51.578,32.139 51.578,33.65 51.55,33.679 DD2.29
PWM_L1: DD2.28 DD4.5 | length 11.8
  Top Layer w0.3: v1(51.215,29.202) 51.215,30.954 49.767,32.402 49.767,33.418 52.053,35.704 v1(52.053,36.161)
  Bottom Layer w0.3: DD4.5 50.725,28.712 v1(51.215,29.202) ; DD2.28 52.05,36.158 v1(52.053,36.161)
PWM_L2: DD2.27 DD4.6 | length 7.3
  Bottom Layer w0.3: DD4.6 51.995,31.687 52.55,32.242 DD2.27
PWM_L3: DD2.26 DD4.7 | length 7.1
  Bottom Layer w0.3: DD2.26 53.05,30.749 DD4.7
SWCLK: DD2.37 R2.2 X3.2 | length 41.1
  Top Layer w0.3: v1(32.063,13.225) v1(32.063,33.469)
  Bottom Layer w0.3: X3.2 31.199,14.6 31.599,14.2 R2.2@33.038,14.2 ; v1(32.063,13.225) R2.2@33.038,14.2 ; v1(32.063,33.469) 32.546,33.469 33.993,34.917 42.587,34.917 43.62,35.95 DD2.37 ; R2.2 R2.2@33.038,14.2
SWDIO: DD2.34 R3.2 X3.4 | length 42.9
  Top Layer w0.3: v1(34.527,12.107) 36.533,14.114 v1(36.533,32.656)
  Bottom Layer w0.3: X3.4 31.947,9.52 v1@34.534,12.1 ; v1(34.527,12.107) v1@34.534,12.1 ; R3.2 v1@34.534,12.1 ; v1(36.533,32.656) 48.542,32.656 49.05,33.164 DD2.34
SWO: DD2.39 R5.2 X3.6 | length 56.4
  Top Layer w0.3: v1(46.541,3.802) 48.649,5.91 48.649,26.357 47.194,27.812 47.194,35.874 v1(48.268,36.949)
  Bottom Layer w0.3: X3.6 31.14,2.9 46.833,2.9 ; v1(46.541,3.802) 46.541,3.192 46.833,2.9 ; DD2.39 48.267,36.95 v1(48.268,36.949) ; R5.2 46.833,2.9
TIM2_CH2: DD2.11 X4.2 | length 70.9
  Top Layer w0.3: v1(53.043,45.331) 53.628,44.746 60.384,44.746 63.33,41.8 v1(63.33,34.688)
  Bottom Layer w0.3: v1(53.043,45.331) 53.05,45.324 DD2.11 ; v1(63.33,34.688) 63.33,31.099 63.686,30.743 64.618,30.743 64.931,31.056 76.64,31.056 77.351,30.345 77.351,19.234 83.015,13.57 86.292,13.57 86.97,12.892 86.97,11.708 86.292,11.03 85.138,11.03 84.412,10.304 84.412,8.508 X4.2
TIM2_CH3: DD2.12 X4.3 | length 62.7
  Bottom Layer w0.3: DD2.12 53.55,42.765 55.812,42.765 56.49,42.087 56.49,38.811 57.211,38.09 73.517,38.09 74.405,37.203 80.196,37.203 88.172,29.227 88.172,12.232 X4.3
TIM2_CH4: DD2.13 X4.4 | length 54.6
  Bottom Layer w0.3: DD2.13 55.812,41.45 56.066,41.196 56.066,37.964 56.345,37.685 57.057,37.685 57.099,37.642 60.384,37.642 60.689,37.338 60.689,36.415 59.749,35.476 58.785,35.476 58.505,35.196 58.505,33.489 61.671,30.323 65.267,30.323 65.339,30.395 71.814,30.395 76.081,26.128 76.081,19.651 83.432,12.3 X4.4
USB_DM: DD1.4 DD2.32 | length 48.3
  Top Layer w0.3: DD1.4 v1(11.6,18.076)
  Bottom Layer w0.3: v1(11.6,18.076) 24.783,31.259 49.716,31.259 49.995,31.538 49.995,33.668 50.05,33.723 DD2.32
USB_DP: DD1.6 DD2.33 | length 52.3
  Top Layer w0.3: DD1.6 9.7,18.065 v1(9.711,18.076)
  Bottom Layer w0.3: v1(9.711,18.076) 9.711,23.08 13.038,26.408 15.782,26.408 21.116,31.742 49.208,31.742 49.55,32.084 DD2.33
VB1: C17.1 DD4.28 VB1.2 | length 55.7
  Top Layer w0.3: C17.1 44.275,21.174 v1(45.645,19.804) ; VB1.2 70.003,29.6 v1(70.011,29.608)
  Bottom Layer w0.3: DD4.28 v1(45.645,19.804) 45.645,22.311 46.16,22.826 59.876,22.826 60.232,23.182 60.232,24.096 59.944,24.384 55.499,24.384 55.072,24.811 55.072,31.107 54.999,31.179 54.999,32.656 55.634,33.291 57.996,33.291 61.679,29.608 v1(70.011,29.608)
VB2: C18.1 DD4.24 VB2.2 | length 31
  Top Layer w0.3: C18.1 v1(44.375,14.571) ; v1(61.222,23.512) 61.234,23.5 VB2.2
  Bottom Layer w0.3: v1(44.375,14.571) 49.912,14.571 50.725,15.384 DD4.24 50.725,20.076 51.485,20.836 58.546,20.836 v1(61.222,23.512)
VB3: C19.1 DD4.20 VB3.2 | length 23.7
  Top Layer w0.3: C19.1 60.461,10 64.15,13.689 VB3.2 62.576,17.5 v1(61.603,16.527)
  Bottom Layer w0.3: DD4.20 55.805,19.238 56.066,19.499 57.463,19.499 57.615,19.346 57.615,16.883 57.971,16.527 v1(61.603,16.527)
VS1: C17.2 DD4.26 R20.2 VT1.2 VT2.3 X5.1 | length 96.3
  Top Layer w0.3: v1(39.937,39.8) 39.937,44.153 VT1.2 45.384,49.6 VT2.3 45.384,61.383 44.9,61.867 X5.1 46.668,69.232 46.668,39.74 49.056,37.353 49.056,35.323 47.836,34.104 47.836,28.922 50.299,26.46 50.299,24.379 50.325,24.353 C17.2 51.748,23 52.231,22.517 v1(52.231,22.013)
  Bottom Layer w0.3: v1(39.937,39.8) R20.2 ; DD4.26 48.185,21.498 48.7,22.013 v1(52.231,22.013)
VS2: C18.2 DD4.22 R22.2 VT3.2 VT4.3 X6.1 | length 78.7
  Top Layer w0.3: C18.2 50.425,16.957 v1(53.272,19.804) 53.272,22.852 50.719,25.405 50.719,27.678 49.665,28.731 49.665,31.869 49.335,32.199 49.335,33.58 51.283,35.528 51.283,37.558 50.681,38.16 50.681,39.768 51.201,40.288 v1(57.627,40.288) ; VT3.2 60.392,49.8 VT4.3 62.892,68.492 X6.1
  Bottom Layer w0.3: DD4.22 53.265,19.797 v1(53.272,19.804) ; v1(57.627,40.288) 58.239,40.9 R22.2 60.392,41.508 VT3.2
VS3: C19.2 DD4.18 R24.2 VT5.2 VT6.3 X7.1 | length 106.2
  Top Layer w0.3: v1(58.345,19.804) 58.345,13.167 56.828,11.65 56.828,8.755 57.082,8.501 59.876,8.501 ; C19.2 61.375,10 59.876,8.501 ; v1(78.52,40.2) 77.148,40.2 71.636,34.688 71.636,22.13 72.508,21.258 72.508,11.252 69.757,8.501 59.876,8.501 ; v1(78.53,40.2) 77.9,40.83 VT5.2 80.4,49.6 VT6.3 ; v1(84.9,52.3) X7.1
  Bottom Layer w0.3: DD4.18 v1(58.345,19.804) ; v1(78.52,40.2) v1(78.53,40.2) R24.2 ; VT6.3 v1(84.9,52.3)
pads on no net: "DA1. 0" BQ1. BQ1.2 BQ1.4 C1.0 C3.0 C4.0 C6.0 C7.0 C9.0 C10.0 C11.0 C13.0 C14.0 C15.0 C16.0 C17.0 C18.0 C19.0 C21.0 C22.0 C23.0 DA1.0 DA1.28 DD1. DD2.0 DD2.2 DD2.3 DD2.4 DD2.10 DD2.14 DD2.15 DD2.16 DD2.17 DD2.18 DD2.20 DD2.21 DD2.22 DD2.38 DD2.40 DD2.41 DD2.42 DD2.43 DD2.45 DD2.46 DD4.17 DD4.21 DD4.25 R1.0 R2.0 R3.0 R4.0 R5.0 R6.0 R7.0 R8.0 R9.0 R10.0 R11.0 R12.0 R13.0 R14.0 R15.0 R16.0 R17.0 R18.0 R19.0 R20.0 R21.0 R22.0 R23.0 R24.0 R25.0 VD2.0 X2. X2.4 X4.6

## Silkscreen, mask and mechanical layers (free items; w line width, h text height)
Top Overlay:
  text "ON" at 13.754,47.354 h1.52

## Text inside footprints (layer, text, board x,y; h text height)
C26: Top Overlay "+" at 27.837,21.275 h1.5 r90
C27: Top Overlay "+" at 27.937,33.775 h1.5 r90
C28: Top Overlay "+" at 27.837,46.775 h1.5 r90